# KiCad board OPS-K3572.kicad_pcb (continued)
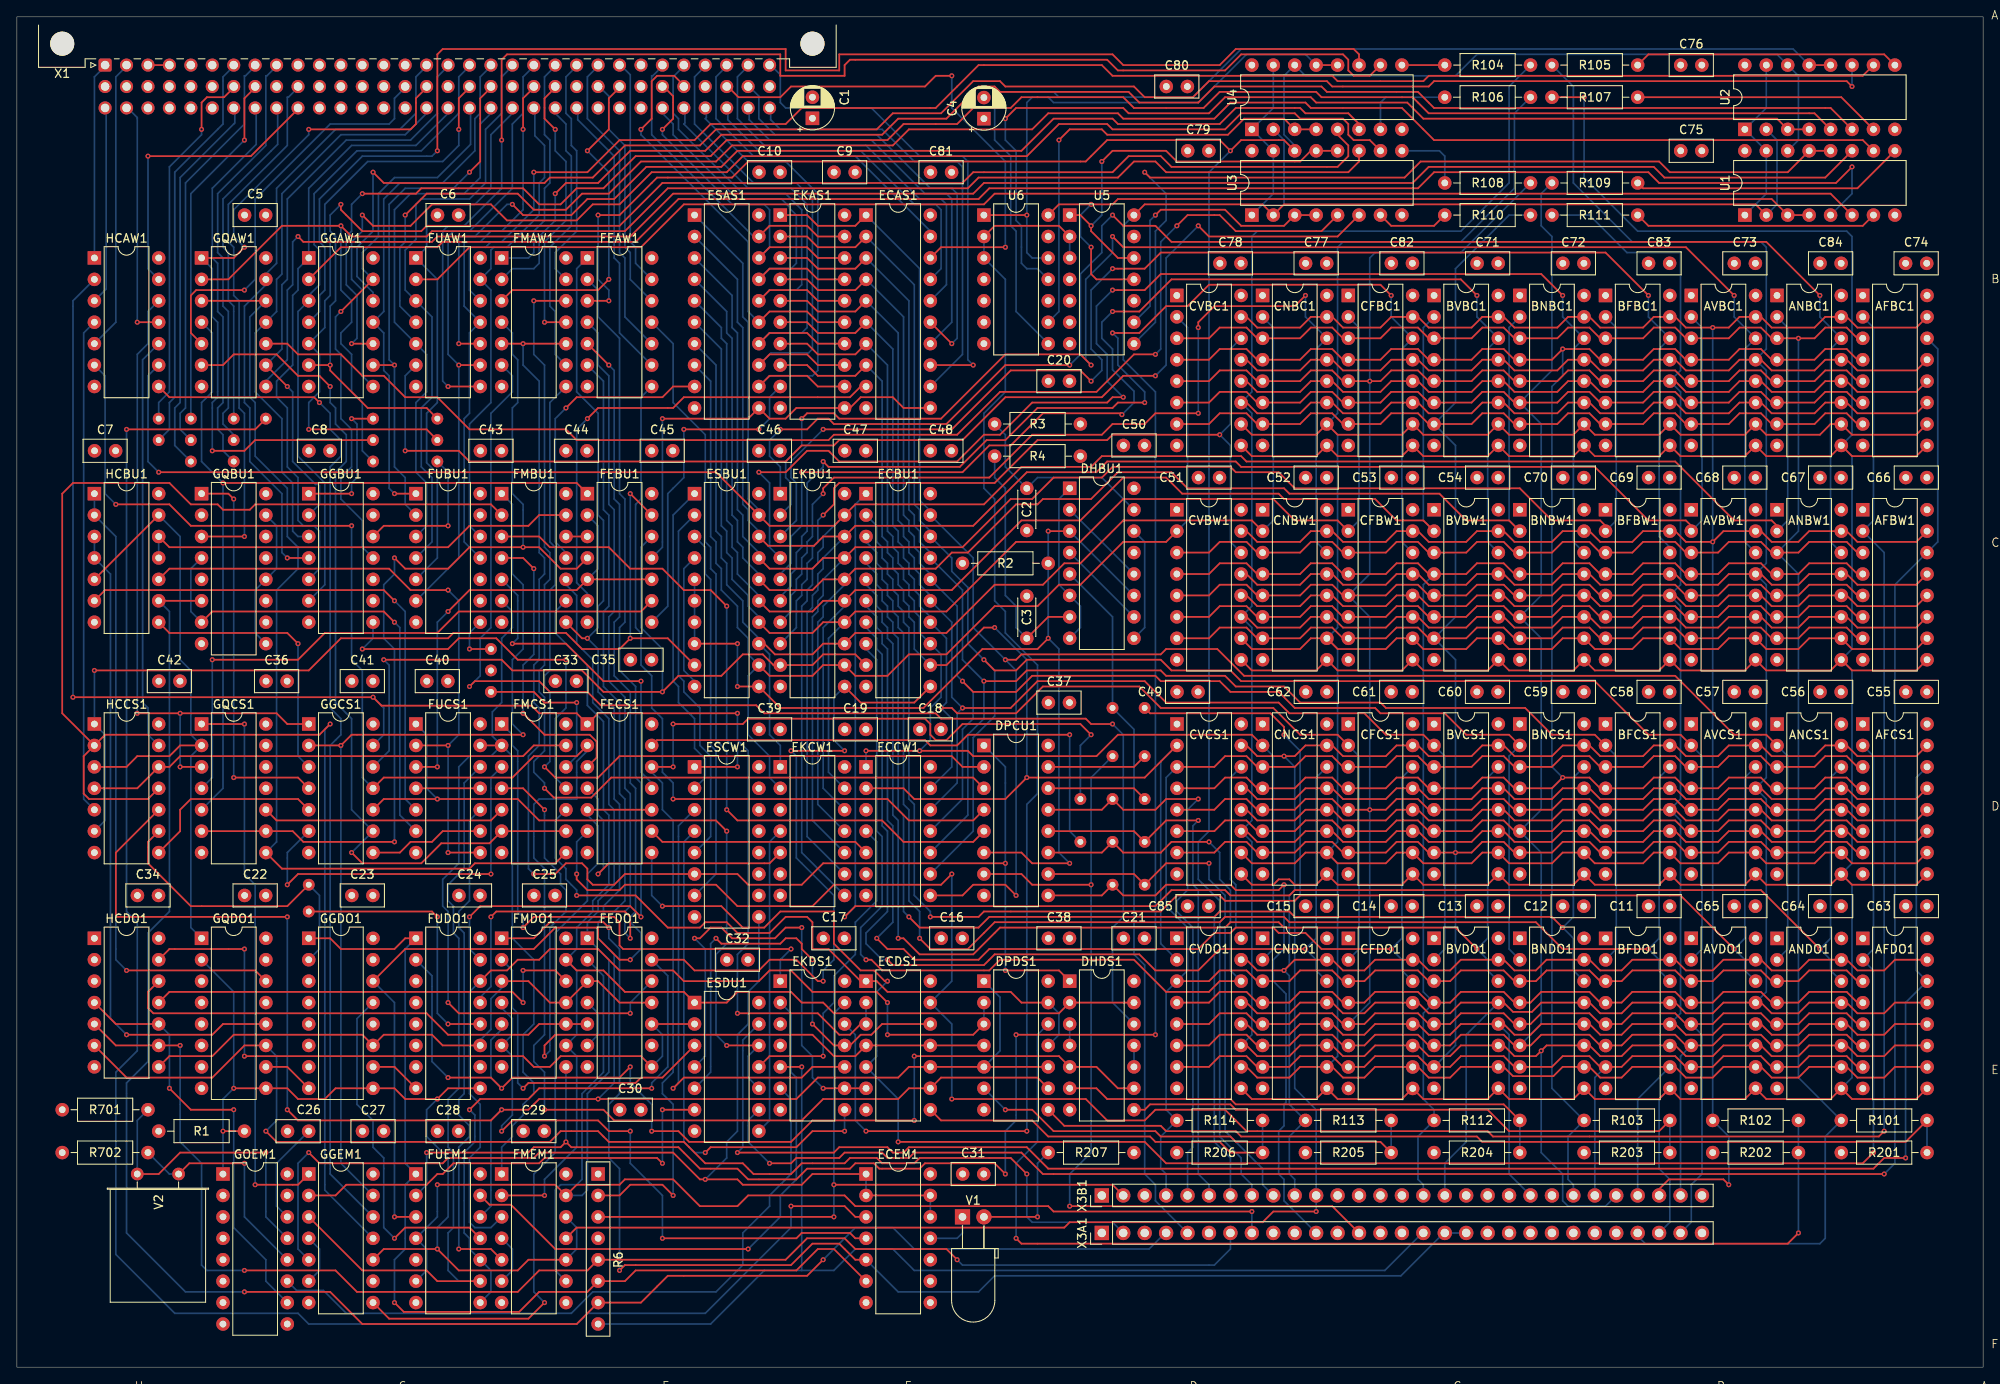
[diagram p0: board, top side]
## Nets
-ADR0: GGBU1.4 GQAW1.13 X1.a16
-ADR1: GQAW1.1 X1.b16 X11.3.1
-ADR2: GGBU1.3 GQAW1.11 X1.c16
-ADR3: GGBU1.2 GQAW1.9 X1.a17
-ADR4: GGAW1.1 GGBU1.5 X1.c17
-ADR5: GGAW1.3 GGBU1.6 X1.a18
-ADR6: GGAW1.5 X1.b18 X10.3.1
-ADR7: GGAW1.13 GGBU1.11 X1.c18
-ADR8: FUBU1.1 GGAW1.11 X1.a19
-ADR9: FUBU1.2 GGAW1.9 X1.b19
-ADR10: FMAW1.1 X1.a22
-ADR11: FMAW1.11 X1.b22
-ADR12: FMAW1.9 X1.c22
-ADR13: FMAW1.13 X1.a23
-ADR14: FEAW1.9 X1.c23
-ADR15: FEAW1.10 X1.a24
-ADR16: FEAW1.12 X1.b24
-ADR17: FEAW1.13 X1.a25
-ADRA: FUAW1.5 FUBU1.3 X1.c19
-ADRB: FUAW1.3 FUBU1.4 X1.a20
-ADRC: FUAW1.1 FUBU1.5 X1.c20
-ADRD: FUAW1.9 FUBU1.6 X1.a21
-ADRE: FUAW1.11 FUBU1.11 X1.b21
-ADRF: FUAW1.13 FUBU1.12 X1.c21
-BHEN: FMAW1.3 X1.b25
-CAS0: AFBC1.15 AFBW1.15 ANBC1.15 ANBW1.15 AVBC1.15 AVBW1.15 BFBC1.15 BFBW1.15 BNBC1.15 BNBW1.15 BVBC1.15 BVBW1.15 CFBC1.15 CFBW1.15 CNBC1.15 CNBW1.15 CVBC1.15 CVBW1.15 R102.2 X3B1.27
-CAS1: AFCS1.15 AFDO1.15 ANCS1.15 ANDO1.15 AVCS1.15 AVDO1.15 BFCS1.15 BFDO1.15 BNCS1.15 BNDO1.15 BVCS1.15 BVDO1.15 CFCS1.15 CFDO1.15 CNCS1.15 CNDO1.15 CVCS1.15 CVDO1.15 R113.2 X3B1.10
-COL: FEAW1.3 U1.14 U2.14 U3.14 U4.14 X3B1.7
-DAT0: EKAS1.19 ESAS1.19 X1.a27
-DAT1: EKAS1.18 ESAS1.18 X1.b27
-DAT2: EKAS1.17 ESAS1.17 X1.c27
-DAT3: EKAS1.16 ESAS1.16 X1.a28
-DAT4: EKAS1.15 ESAS1.15 X1.b28
-DAT5: EKAS1.14 ESAS1.14 X1.c28
-DAT6: EKAS1.13 ESAS1.13 X1.a29
-DAT7: EKAS1.12 ESAS1.12 X1.c29
-DAT8: ECAS1.19 X1.a30
-DAT9: ECAS1.18 X1.b30
-DATA: ECAS1.17 X1.c30
-DATB: ECAS1.16 X1.a31
-DATC: ECAS1.15 X1.b31
-DATD: ECAS1.14 X1.c31
-DATE: ECAS1.13 X1.a32
-DATF: ECAS1.12 X1.c32
-INH1: GQAW1.5 X1.b15
-INIT: HCAW1.13 X1.c10
-INT0: X1.a7 X13.9.1
-INT1: X1.b7 X13.8.1
-INT2: X1.c7 X13.7.1
-INT3: X1.a8 X13.6.1
-INT4: X1.b8 X13.5.1
-INT5: X1.c8 X13.4.1
-INT6: X1.a9 X13.3.1
-INT7: X1.c9 X13.2.1
-IORC: HCAW1.3 X1.c1
-IOWC: HCAW1.11 X1.c2
-MCLK-EN: EKDS1.5 R6.8 X3A1.16
-MRDC: HCAW1.1 X1.a1
-MWTC: HCAW1.5 X1.a2
-RAS0: AFBW1.4 AFDO1.4 ANBW1.4 ANDO1.4 AVBW1.4 AVDO1.4 BFBW1.4 BFDO1.4 BNBW1.4 BNDO1.4 BVBW1.4 BVDO1.4 CFBW1.4 CFDO1.4 CNBW1.4 CNDO1.4 CVBW1.4 CVDO1.4 R112.2 X3B1.16
-RAS1: AFBC1.4 AFCS1.4 ANBC1.4 ANCS1.4 AVBC1.4 AVCS1.4 BFBC1.4 BFCS1.4 BNBC1.4 BNCS1.4 BVBC1.4 BVCS1.4 CFBC1.4 CFCS1.4 CNBC1.4 CNCS1.4 CVBC1.4 CVCS1.4 R103.2 X3B1.23
-REF-CLR: FEDO1.1 FMBU1.10 FMEM1.13 FUEM1.4 FUEM1.6 X3A1.8
-SET-MCLK: HCDO1.5 HCDO1.9 R6.5 X3A1.7
-WE0: AFBC1.3 AFBW1.3 ANBC1.3 ANBW1.3 AVBC1.3 AVBW1.3 BFBC1.3 BFBW1.3 BNBC1.3 BNBW1.3 BVBC1.3 BVBW1.3 CFBC1.3 CFBW1.3 CNBC1.3 CNBW1.3 CVBC1.3 CVBW1.3 R101.2 X3A1.26
-WE1: AFCS1.3 AFDO1.3 ANCS1.3 ANDO1.3 AVCS1.3 AVDO1.3 BFCS1.3 BFDO1.3 BNCS1.3 BNDO1.3 BVCS1.3 BVDO1.3 CFCS1.3 CFDO1.3 CNCS1.3 CNDO1.3 CVCS1.3 CVDO1.3 R114.2 X3B1.4
-XACK: GQBU1.3 X1.b10
-XACKIN: GQBU1.6 HCBU1.9 R6.7 X3A1.4
/SB1: ECBU1.9 EKBU1.9 FEBU1.12 GGCS1.12
/SB2: FUCS1.9 GGCS1.8
/SB3: DPDS1.9 ECDS1.9 FECS1.2 GGCS1.11 HCAW1.6
/SB4: ESAS1.9 FMBU1.11
/SB5: EKAS1.9 FEBU1.8
/SB6: ECAS1.9 FEBU1.6
/SB7: DPDS1.4 ECDS1.4 ECDS1.11 FMCS1.4
/SB8: DPDS1.11 DPDS1.13 ECDS1.1 FMCS1.10
/SB9: FEDO1.12 FMBU1.6 FMCS1.2 FMEM1.1 FUCS1.13
/SB10: ECAS1.11 EKAS1.11 ESAS1.11 FEBU1.11
/SB11: FMCS1.13 HCCS1.4 HCCS1.12
/SB12: ECBU1.11 EKBU1.11 FEDO1.13 FUEM1.8 FUEM1.10
/SB13: FUCS1.2 FUCS1.8 HCBU1.10
/SB14: FMBU1.13 HCBU1.11 HCBU1.12
/SB15: ESBU1.9 FEBU1.13 HCCS1.1 HCCS1.6
/SB16: FUCS1.5 HCBU1.6
/SB17: ECDS1.2 ECDS1.3 FECS1.1 GGCS1.13 HCAW1.2
A: AFBC1.16 AFBW1.16 AFCS1.16 AFDO1.16 ANBC1.16 ANBW1.16 ANCS1.16 ANDO1.16 AVBC1.16 AVBW1.16 AVCS1.16 AVDO1.16 BFBC1.16 BFBW1.16 BFCS1.16 BFDO1.16 BNBC1.16 BNBW1.16 BNCS1.16 BNDO1.16 BVBC1.16 BVBW1.16 BVCS1.16 BVDO1.16 C1.1 C4.1 C5.2 C6.2 C7.2 C8.2 C9.2 C10.2 C11.2 C12.2 C13.2 C14.2 C15.2 C16.2 C17.2 C18.2 C19.2 C20.2 C21.2 C22.2 C23.2 C24.2 C25.2 C26.2 C27.2 C28.2 C29.2 C30.2 C31.2 C32.2 C33.2 C34.2 C35.2 C36.2 C37.2 C38.2 C39.2 C40.2 C41.2 C42.2 C43.2 C44.2 C45.2 C46.2 C47.2 C48.2 C49.2 C50.2 C51.2 C52.2 C53.2 C54.2 C55.2 C56.2 C57.2 C58.2 C59.2 C60.2 C61.2 C62.2 C63.2 C64.2 C65.2 C66.2 C67.2 C68.2 C69.2 C70.2 C71.2 C72.2 C73.2 C74.2 C75.2 C76.2 C77.2 C78.2 C79.2 C80.2 C81.2 C82.2 C83.2 C84.2 C85.2 CFBC1.16 CFBW1.16 CFCS1.16 CFDO1.16 CNBC1.16 CNBW1.16 CNCS1.16 CNDO1.16 CVBC1.16 CVBW1.16 CVCS1.16 CVDO1.16 DHBU1.16 DHDS1.14 DPCU1.16 DPDS1.14 ECAS1.20 ECBU1.20 ECCW1.14 ECDS1.14 ECEM1.14 EKAS1.20 EKBU1.20 EKCW1.14 EKDS1.14 ESAS1.20 ESBU1.20 ESCW1.16 ESDU1.14 FEAW1.14 FEBU1.14 FECS1.14 FEDO1.14 FMAW1.14 FMBU1.14 FMCS1.14 FMDO1.14 FMEM1.14 FUAW1.14 FUBU1.14 FUCS1.14 FUDO1.16 FUEM1.14 GGAW1.14 GGBU1.14 GGCS1.14 GGDO1.16 GGEM1.14 GOEM1.15 GOEM1.16 GQAW1.14 GQBU1.16 GQCS1.14 GQDO1.16 HCAW1.14 HCBU1.14 HCCS1.14 HCDO1.14 R1.2 R2.2 R3.1 R4.1 R6.1 R201.2 R202.2 R203.2 R204.2 R205.2 R206.2 R207.2 U1.16 U2.16 U3.16 U4.16 U5.5 U6.5 X1.a11 X1.a12 X1.a14 X1.a15 X1.c24 X1.c25
AD1_9: AFBC1.5 AFBW1.5 AFCS1.5 AFDO1.5 ANBC1.5 ANBW1.5 ANCS1.5 ANDO1.5 AVBC1.5 AVBW1.5 AVCS1.5 AVDO1.5 BFBC1.5 BFBW1.5 BFCS1.5 BFDO1.5 BNBC1.5 BNBW1.5 BNCS1.5 BNDO1.5 BVBC1.5 BVBW1.5 BVCS1.5 BVDO1.5 CFBC1.5 CFBW1.5 CFCS1.5 CFDO1.5 CNBC1.5 CNBW1.5 CNCS1.5 CNDO1.5 CVBC1.5 CVBW1.5 CVCS1.5 CVDO1.5 R108.2 X3A1.28
AD2_A: AFBC1.7 AFBW1.7 AFCS1.7 AFDO1.7 ANBC1.7 ANBW1.7 ANCS1.7 ANDO1.7 AVBC1.7 AVBW1.7 AVCS1.7 AVDO1.7 BFBC1.7 BFBW1.7 BFCS1.7 BFDO1.7 BNBC1.7 BNBW1.7 BNCS1.7 BNDO1.7 BVBC1.7 BVBW1.7 BVCS1.7 BVDO1.7 CFBC1.7 CFBW1.7 CFCS1.7 CFDO1.7 CNBC1.7 CNBW1.7 CNCS1.7 CNDO1.7 CVBC1.7 CVBW1.7 CVCS1.7 CVDO1.7 R110.2 X3B1.24
AD3_B: AFBC1.6 AFBW1.6 AFCS1.6 AFDO1.6 ANBC1.6 ANBW1.6 ANCS1.6 ANDO1.6 AVBC1.6 AVBW1.6 AVCS1.6 AVDO1.6 BFBC1.6 BFBW1.6 BFCS1.6 BFDO1.6 BNBC1.6 BNBW1.6 BNCS1.6 BNDO1.6 BVBC1.6 BVBW1.6 BVCS1.6 BVDO1.6 CFBC1.6 CFBW1.6 CFCS1.6 CFDO1.6 CNBC1.6 CNBW1.6 CNCS1.6 CNDO1.6 CVBC1.6 CVBW1.6 CVCS1.6 CVDO1.6 R109.2 X3B1.28
AD4_C: AFBC1.12 AFBW1.12 AFCS1.12 AFDO1.12 ANBC1.12 ANBW1.12 ANCS1.12 ANDO1.12 AVBC1.12 AVBW1.12 AVCS1.12 AVDO1.12 BFBC1.12 BFBW1.12 BFCS1.12 BFDO1.12 BNBC1.12 BNBW1.12 BNCS1.12 BNDO1.12 BVBC1.12 BVBW1.12 BVCS1.12 BVDO1.12 CFBC1.12 CFBW1.12 CFCS1.12 CFDO1.12 CNBC1.12 CNBW1.12 CNCS1.12 CNDO1.12 CVBC1.12 CVBW1.12 CVCS1.12 CVDO1.12 R111.2 X3B1.21
AD5_D: AFBC1.11 AFBW1.11 AFCS1.11 AFDO1.11 ANBC1.11 ANBW1.11 ANCS1.11 ANDO1.11 AVBC1.11 AVBW1.11 AVCS1.11 AVDO1.11 BFBC1.11 BFBW1.11 BFCS1.11 BFDO1.11 BNBC1.11 BNBW1.11 BNCS1.11 BNDO1.11 BVBC1.11 BVBW1.11 BVCS1.11 BVDO1.11 CFBC1.11 CFBW1.11 CFCS1.11 CFDO1.11 CNBC1.11 CNBW1.11 CNCS1.11 CNDO1.11 CVBC1.11 CVBW1.11 CVCS1.11 CVDO1.11 R104.2 X3B1.25
AD6_E: AFBC1.10 AFBW1.10 AFCS1.10 AFDO1.10 ANBC1.10 ANBW1.10 ANCS1.10 ANDO1.10 AVBC1.10 AVBW1.10 AVCS1.10 AVDO1.10 BFBC1.10 BFBW1.10 BFCS1.10 BFDO1.10 BNBC1.10 BNBW1.10 BNCS1.10 BNDO1.10 BVBC1.10 BVBW1.10 BVCS1.10 BVDO1.10 CFBC1.10 CFBW1.10 CFCS1.10 CFDO1.10 CNBC1.10 CNBW1.10 CNCS1.10 CNDO1.10 CVBC1.10 CVBW1.10 CVCS1.10 CVDO1.10 R106.2 X3B1.26
AD7_F: AFBC1.13 AFBW1.13 AFCS1.13 AFDO1.13 ANBC1.13 ANBW1.13 ANCS1.13 ANDO1.13 AVBC1.13 AVBW1.13 AVCS1.13 AVDO1.13 BFBC1.13 BFBW1.13 BFCS1.13 BFDO1.13 BNBC1.13 BNBW1.13 BNCS1.13 BNDO1.13 BVBC1.13 BVBW1.13 BVCS1.13 BVDO1.13 CFBC1.13 CFBW1.13 CFCS1.13 CFDO1.13 CNBC1.13 CNBW1.13 CNCS1.13 CNDO1.13 CVBC1.13 CVBW1.13 CVCS1.13 CVDO1.13 R105.2 X3B1.17
AD8_10: AFBC1.9 AFBW1.9 AFCS1.9 AFDO1.9 ANBC1.9 ANBW1.9 ANCS1.9 ANDO1.9 AVBC1.9 AVBW1.9 AVCS1.9 AVDO1.9 BFBC1.9 BFBW1.9 BFCS1.9 BFDO1.9 BNBC1.9 BNBW1.9 BNCS1.9 BNDO1.9 BVBC1.9 BVBW1.9 BVCS1.9 BVDO1.9 CFBC1.9 CFBW1.9 CFCS1.9 CFDO1.9 CNBC1.9 CNBW1.9 CNCS1.9 CNDO1.9 CVBC1.9 CVBW1.9 CVCS1.9 CVDO1.9 R107.2 X3A1.27
ADR0: FMCS1.8 GQAW1.3 GQAW1.12 GQCS1.8
ADR1: GQAW1.2 U3.11 X11.1.1
ADR2: GQAW1.10 U3.5
ADR3: GQAW1.8 U1.11
ADR4: GGAW1.2 U1.5
ADR5: GGAW1.4 U4.11
ADR6: GGAW1.6 U4.5 X10.1.1
ADR7: GGAW1.12 U2.11
ADR8: GGAW1.10 U2.5
ADR9: GGAW1.8 U3.10
ADR10: FMAW1.2 U2.6
ADR11: DHDS1.1 DPCU1.1 ESCW1.6 FMAW1.5 FMAW1.10
ADR_0: FEBU1.1 GQAW1.4 GQCS1.5
ADR_11: DHDS1.12 FMAW1.6
ADRA: FUAW1.6 U3.6
ADRB: FUAW1.4 U1.10
ADRC: FUAW1.2 U1.6
ADRD: FUAW1.8 U4.10
ADRE: FUAW1.10 U4.6
ADRF: FUAW1.12 U2.10
AS2: DPCU1.13 X3B1.5 X8.3.1
AS3: DPCU1.12 X3B1.6 X8.4.1
AS4: DPCU1.11 X3B1.9 X8.5.1
AS5: DPCU1.10 X3B1.8 X8.6.1
AS6: DPCU1.9 X3A1.11 X8.7.1
AS7: DPCU1.7 X3A1.13 X8.8.1
B: AFBC1.8 AFBW1.8 AFCS1.8 AFDO1.8 ANBC1.8 ANBW1.8 ANCS1.8 ANDO1.8 AVBC1.8 AVBW1.8 AVCS1.8 AVDO1.8 BFBC1.8 BFBW1.8 BFCS1.8 BFDO1.8 BNBC1.8 BNBW1.8 BNCS1.8 BNDO1.8 BVBC1.8 BVBW1.8 BVCS1.8 BVDO1.8 C1.2 C2.2 C3.2 C4.2 C5.1 C6.1 C7.1 C8.1 C9.1 C10.1 C11.1 C12.1 C13.1 C14.1 C15.1 C16.1 C17.1 C18.1 C19.1 C20.1 C21.1 C22.1 C23.1 C24.1 C25.1 C26.1 C27.1 C28.1 C29.1 C30.1 C31.1 C32.1 C33.1 C34.1 C35.1 C36.1 C37.1 C38.1 C39.1 C40.1 C41.1 C42.1 C43.1 C44.1 C45.1 C46.1 C47.1 C48.1 C49.1 C50.1 C51.1 C52.1 C53.1 C54.1 C55.1 C56.1 C57.1 C58.1 C59.1 C60.1 C61.1 C62.1 C63.1 C64.1 C65.1 C66.1 C67.1 C68.1 C69.1 C70.1 C71.1 C72.1 C73.1 C74.1 C75.1 C76.1 C77.1 C78.1 C79.1 C80.1 C81.1 C82.1 C83.1 C84.1 C85.1 CFBC1.8 CFBW1.8 CFCS1.8 CFDO1.8 CNBC1.8 CNBW1.8 CNCS1.8 CNDO1.8 CVBC1.8 CVBW1.8 CVCS1.8 CVDO1.8 DHBU1.1 DHBU1.6 DHBU1.8 DHBU1.9 DHBU1.14 DHDS1.7 DPCU1.8 DPDS1.7 ECAS1.10 ECBU1.10 ECCW1.7 ECDS1.7 ECEM1.7 EKAS1.10 EKBU1.10 EKCW1.7 EKDS1.7 ESAS1.10 ESBU1.4 ESBU1.10 ESCW1.8 ESDU1.7 FEAW1.7 FEBU1.7 FECS1.7 FEDO1.7 FMAW1.7 FMBU1.7 FMCS1.7 FMDO1.7 FMEM1.7 FUAW1.7 FUBU1.7 FUCS1.7 FUDO1.8 FUDO1.10 FUEM1.7 GGAW1.7 GGBU1.7 GGCS1.7 GGDO1.8 GGDO1.10 GGEM1.7 GOEM1.8 GOEM1.9 GOEM1.14 GQAW1.7 GQBU1.8 GQBU1.9 GQBU1.12 GQBU1.15 GQCS1.7 GQDO1.8 GQDO1.10 HCAW1.7 HCBU1.7 HCCS1.7 HCDO1.7 R701.1 R702.1 U1.1 U1.8 U1.15 U2.1 U2.8 U2.15 U3.1 U3.8 U3.15 U4.1 U4.8 U4.15 U5.10 U6.10 X1.b2 X1.b6 X1.b9 X1.b13 X1.b17 X1.b20 X1.b23 X1.b26 X1.b29 X1.b32 X9.3.1
D0: ANBC1.2 ANBW1.2 EKBU1.19 EKCW1.8 ESAS1.1 ESBU1.19 HCAW1.9
D1: AVBC1.2 AVBW1.2 EKBU1.18 EKCW1.9 ESAS1.2 ESBU1.18
D2: BFBC1.2 BFBW1.2 EKBU1.17 EKCW1.10 ESAS1.3 ESBU1.17
D3: BNBC1.2 BNBW1.2 EKBU1.16 EKCW1.11 ESAS1.4 ESBU1.16
D4: BVBC1.2 BVBW1.2 EKBU1.15 EKCW1.12 ESAS1.5 ESBU1.15
D5: CFBC1.2 CFBW1.2 EKBU1.14 EKCW1.13 ESAS1.6 ESBU1.14
D6: CNBC1.2 CNBW1.2 EKBU1.13 EKCW1.1 ESAS1.7 ESBU1.13
D7: CVBC1.2 CVBW1.2 EKBU1.12 EKCW1.2 ESAS1.8 ESBU1.12
D8: ANCS1.2 ANDO1.2 ECAS1.1 ECBU1.19 ECCW1.8 EKAS1.1
D9: AVCS1.2 AVDO1.2 ECAS1.2 ECBU1.18 ECCW1.9 EKAS1.2
D10: BFCS1.2 BFDO1.2 ECAS1.3 ECBU1.17 ECCW1.10 EKAS1.3
D11: BNCS1.2 BNDO1.2 ECAS1.4 ECBU1.16 ECCW1.11 EKAS1.4
D12: BVCS1.2 BVDO1.2 ECAS1.5 ECBU1.15 ECCW1.12 EKAS1.5
D13: CFCS1.2 CFDO1.2 ECAS1.6 ECBU1.14 ECCW1.13 EKAS1.6
D14: CNCS1.2 CNDO1.2 ECAS1.7 ECBU1.13 ECCW1.1 EKAS1.7
D15: CVCS1.2 CVDO1.2 ECAS1.8 ECBU1.12 ECCW1.2 EKAS1.8
D16: AFBC1.2 AFBW1.2 ECDS1.13 FECS1.6
D17: AFCS1.2 AFDO1.2 ECDS1.5 FECS1.8
DR0: ANBC1.14 ANBW1.14 EKBU1.1
DR1: AVBC1.14 AVBW1.14 EKBU1.2
DR2: BFBC1.14 BFBW1.14 EKBU1.3
DR3: BNBC1.14 BNBW1.14 EKBU1.4
DR4: BVBC1.14 BVBW1.14 EKBU1.5
DR5: CFBC1.14 CFBW1.14 EKBU1.6
DR6: CNBC1.14 CNBW1.14 EKBU1.7
DR7: CVBC1.14 CVBW1.14 EKBU1.8
DR8: ANCS1.14 ANDO1.14 ECBU1.1
DR9: AVCS1.14 AVDO1.14 ECBU1.2
DR10: BFCS1.14 BFDO1.14 ECBU1.3
DR11: BNCS1.14 BNDO1.14 ECBU1.4
DR12: BVCS1.14 BVDO1.14 ECBU1.5
DR13: CFCS1.14 CFDO1.14 ECBU1.6
DR14: CNCS1.14 CNDO1.14 ECBU1.7
DR15: CVCS1.14 CVDO1.14 ECBU1.8
DR16: AFBC1.14 AFBW1.14 ESDU1.9
DR17: AFCS1.14 AFDO1.14 ESDU1.13
H1: DHBU1.3 DHBU1.11 DPCU1.6 ESBU1.5 ESBU1.6 ESBU1.7 ESBU1.8 ESBU1.11 R2.1
H2: FMEM1.10 FMEM1.12 FUDO1.9 GGDO1.9 GGEM1.10 GOEM1.1 GQDO1.2 GQDO1.9 R1.1
IR-CLK: FMEM1.11 X3B1.11 X7.1.1
MCLK: GQDO1.11 HCDO1.6 X3A1.2
ORCLK: DHBU1.5 X3A1.5 X7.2.1
RAS: ECEM1.5 FEAW1.6 FMDO1.1 X3A1.17 X3A1.18
REF: FMDO1.8 FUEM1.2 U1.2 U2.2 U3.2 U4.2 U5.14
STOPREFR: EKDS1.13 R6.3 X3B1.2
Net-(DHBU1A--F): DHBU1.4 DHBU1.10
Net-(DHBU1A-B): DHBU1.2 DHBU1.12
Net-(DHBU1A-RL): C2.1 DHBU1.15 R3.2
Net-(DHBU1B-RL): C3.1 DHBU1.7 R4.2
Net-(DHDS1-Pad3): DHDS1.3 DHDS1.4
Net-(DHDS1-Pad6): DHDS1.6 R112.1 R204.1
Net-(DHDS1-Pad8): DHDS1.8 R103.1 R203.1
Net-(DHDS1-Pad10): DHDS1.10 DHDS1.11
Net-(DHDS1-Pad13): DHDS1.2 DHDS1.13 ESDU1.1 FMBU1.9 FMDO1.9 FMDO1.13 FMEM1.2
Net-(DPCU1-A1): DPCU1.2 FMAW1.8
Net-(DPCU1-A2): DPCU1.3 FMAW1.12
Net-(DPCU1-E1): DPCU1.4 FEAW1.8
Net-(DPCU1-E2): DPCU1.5 FEAW1.11
Net-(DPCU1-O0): DPCU1.15 X8.1.1
Net-(DPCU1-O1): DPCU1.14 X8.2.1
Net-(DPDS1-Pad1): DPDS1.1 DPDS1.5 DPDS1.10 ECDS1.10 FEAW1.1 FMBU1.8 FUEM1.12 HCCS1.10
Net-(DPDS1-Pad6): DPDS1.6 R113.1 R205.1
Net-(DPDS1-Pad8): DPDS1.8 R101.1 R201.1
Net-(DPDS1-Pad12): DPDS1.12 R102.1 R202.1
Net-(ECCW1-8): ECCW1.4 ESDU1.11
Net-(ECCW1-F1): ECCW1.5 FECS1.9
Net-(ECDS1-Pad6): ECDS1.6 EKDS1.9 ESDU1.4
Net-(ECDS1-Pad8): ECDS1.8 R114.1 R206.1
Net-(ECDS1-Pad12): ECDS1.12 EKDS1.11 ESDU1.5
Net-(ECEM1-Pad4): ECEM1.4 FMDO1.4 FMDO1.6
Net-(EKCW1-8): EKCW1.4 ESDU1.8
Net-(EKCW1-F1): EKCW1.5 FECS1.4
Net-(EKDS1-Pad1): EKDS1.1 FMCS1.1
Net-(EKDS1-Pad2): EKDS1.2 FUEM1.13
Net-(ESBU1-DI0): ESBU1.1 ESCW1.2
Net-(ESBU1-DI1): ESBU1.2 ESCW1.5
Net-(ESBU1-DI2): ESBU1.3 ESCW1.7
Net-(ESCW1-C): ECEM1.1 ECEM1.2 ECEM1.12 ECEM1.13 ESCW1.9 GGEM1.5
Net-(ESCW1-D1): EKDS1.10 ESCW1.3
Net-(ESCW1-D2): EKDS1.8 ESCW1.4
Net-(ESCW1-R): ESCW1.1 FMBU1.3
Net-(ESDU1-Pad2): ESDU1.2 FEDO1.8 FEDO1.10 HCDO1.13
Net-(ESDU1-Pad3): ESDU1.3 FMDO1.2
Net-(ESDU1-Pad6): ESDU1.6 GGEM1.2
Net-(ESDU1-Pad10): ESDU1.10 ESDU1.12 FUCS1.1 GGCS1.10
Net-(FEBU1-Pad3): FEBU1.3 FMBU1.12
Net-(FEBU1-Pad4): FEBU1.4 FMAW1.4 GQCS1.6 GQCS1.9
Net-(FEBU1-Pad9): FEBU1.9 GQCS1.4
Net-(FEBU1-Pad10): FEBU1.2 FEBU1.5 FEBU1.10 FUCS1.3
Net-(FECS1-Pad3): FECS1.3 FMBU1.4
Net-(FECS1-Pad10): FECS1.5 FECS1.10 GGEM1.8
Net-(FECS1-Pad11): FECS1.11 FMBU1.5
Net-(FEDO1-Pad2): FEDO1.2 FMEM1.9
Net-(FEDO1-Pad4): FEDO1.4 FEDO1.6
Net-(FEDO1-Pad5): FEDO1.5 FMDO1.10 HCDO1.12
Net-(FMBU1-Pad1): FMBU1.1 GGCS1.2 GGEM1.13
Net-(FMBU1-Pad2): FMBU1.2 GGEM1.11 HCCS1.2 HCCS1.11
Net-(FMCS1-Pad3): FMCS1.3 GGCS1.6
Net-(FMCS1-Pad5): FMCS1.5 GQCS1.10
Net-(FMCS1-Pad6): FMCS1.6 FMCS1.9 GGCS1.9 GQAW1.6
Net-(FMCS1-Pad11): FMCS1.11 GGBU1.8
Net-(FMDO1-Pad12): FMDO1.12 HCDO1.11
Net-(FMEM1-Pad4): FMEM1.4 FMEM1.6
Net-(FMEM1-Pad5): FMEM1.5 FUCS1.10
Net-(FUCS1-Pad11): FUCS1.4 FUCS1.11
Net-(FUCS1-Pad12): FUCS1.12 FUEM1.9 GGEM1.3
Net-(FUDO1-0): FEAW1.2 FUDO1.15
Net-(FUDO1-1): DPDS1.2 DPDS1.3 FMEM1.3 FUDO1.14
Net-(FUDO1-2): FEAW1.4 FUDO1.13
Net-(FUDO1-3): FUDO1.12 X12.2.1
Net-(FUDO1-AR): DHDS1.5 DHDS1.9 FMDO1.5 FUDO1.2
Net-(FUDO1-R): ECEM1.6 FUDO1.1 FUEM1.1 GGDO1.1 R6.6
Net-(FUDO1-T): FEDO1.3 FEDO1.11 FMDO1.3 FMDO1.11 FUDO1.11 GGDO1.11 HCDO1.8
Net-(GGCS1-Pad1): GGCS1.1 GQCS1.3 HCAW1.12
Net-(GGCS1-Pad3): GGCS1.3 HCBU1.8
Net-(GGCS1-Pad5): GGCS1.5 HCCS1.8
Net-(GGDO1-1): FEAW1.5 FUEM1.3 GGDO1.14
Net-(GGDO1-2): FUEM1.11 GGDO1.13
Net-(GGDO1-AR): GGDO1.2 HCCS1.9 X12.1.1
Net-(GGEM1-Pad1): GGEM1.1 GQCS1.1
Net-(GGEM1-Pad4): GGEM1.4 GGEM1.6
Net-(GGEM1-Pad12): GGEM1.12 HCAW1.8
Net-(GOEM1B-C-Pad12): GOEM1.12 R702.2 V2.2
Net-(GOEM1B-C-Pad13): GOEM1.13 R701.2 V2.1
Net-(GOEM1B-EN): EKDS1.6 GOEM1.11
Net-(GOEM1B-F): GOEM1.10 HCDO1.4 HCDO1.10
Net-(GQBU1-CS): GGCS1.4 GQBU1.1
Net-(GQBU1-DI0): FUCS1.6 GQBU1.4 GQBU1.7
Net-(GQDO1-1): GQDO1.14 HCBU1.1 HCBU1.2
Net-(GQDO1-3): GQDO1.12 HCBU1.3 HCBU1.4
Net-(GQDO1-R): GQCS1.2 GQDO1.1 HCBU1.5 HCBU1.13 HCCS1.3
Net-(HCAW1-Pad4): HCAW1.4 HCCS1.5
Net-(HCAW1-Pad10): HCAW1.10 HCCS1.13
Net-(R6A-R1.2): FECS1.12 R6.2 X8.9.1
Net-(U1-1C2): U1.3 U1.4 U5.11 U6.14
Net-(U1-1Y): R111.1 U1.7
Net-(U1-2C2): U1.12 U1.13 U5.8
Net-(U1-2Y): R109.1 U1.9
Net-(U2-1C2): U2.3 U2.4 U6.11
Net-(U2-1Y): R107.1 U2.7
Net-(U2-2C2): U2.12 U2.13 U6.8
Net-(U2-2Y): R105.1 U2.9
Net-(U3-1C2): U3.3 U3.4 U5.9
Net-(U3-1Y): R110.1 U3.7
Net-(U3-2C2): U3.12 U3.13 U5.1 U5.12
Net-(U3-2Y): R108.1 U3.9
Net-(U4-1C2): U4.3 U4.4 U6.9
Net-(U4-1Y): R106.1 U4.7
Net-(U4-2C2): U4.12 U4.13 U6.1 U6.12
Net-(U4-2Y): R104.1 U4.9
Net-(U5-R01): EKDS1.12 U5.2 U5.3 U6.2 U6.3
Net-(V1-A): R207.1 V1.2
Net-(V1-K): ECEM1.11 V1.1
Net-(X1-Pin_a3): X1.a3 X1.a4
Net-(X8.10-Pin_1): FECS1.13 X8.10.1
Net-(X9.1-Pin_1): FUBU1.8 X9.1.1
Net-(X9.2-Pin_1): FMCS1.12 X9.2.1
Net-(X10.2-Pin_1): GGBU1.12 X10.2.1
Net-(X11.2-Pin_1): GGBU1.1 X11.2.1
Net-(X13.1-Pin_1): ECEM1.3 X13.1.1

Pads without a net: AFBC1 1; AFBW1 1; AFCS1 1; AFDO1 1; ANBC1 1; ANBW1 1; ANCS1 1; ANDO1 1; AVBC1 1; AVBW1 1; AVCS1 1; AVDO1 1; BFBC1 1; BFBW1 1; BFCS1 1; BFDO1 1; BNBC1 1; BNBW1 1; BNCS1 1; BNDO1 1; BVBC1 1; BVBW1 1; BVCS1 1; BVDO1 1; CFBC1 1; CFBW1 1; CFCS1 1; CFDO1 1; CNBC1 1; CNBW1 1; CNCS1 1; CNDO1 1; CVBC1 1; CVBW1 1; CVCS1 1; CVDO1 1; DHBU1 13; ECCW1 3 6; ECEM1 8 9 10; EKCW1 3 6; EKDS1 3 4; ESCW1 10 11 12 13 14 15; FEDO1 9; FMEM1 8; FUBU1 9 10 13; FUDO1 3 4 5 6 7; FUEM1 5; GGBU1 9 10 13; GGDO1 3 4 5 6 7 12 15; GGEM1 9; GOEM1 2 3 4 5 6 7; GQBU1 2 5 10 11 13 14; GQCS1 11 12 13; GQDO1 3 4 5 6 7 13 15; HCDO1 1 2 3; R6 4; U5 4 6 7 13; U6 4 6 7 13; X1 a5 a6 a10 a13 a26 b1 b3 b4 b5 b11 b12 b14 c3 c4 c5 c6 c11 c12 c13 c14 c15 c26; X3A1 1 3 6 9 10 12 14 15 19 20 21 22 23 24 25 29; X3B1 1 3 12 13 14 15 18 19 20 22 29

## Via types
v1: diameter 0.6, hole 0.3, Top to Bottom, 337 vias

## Routing (per net, layer and track width the routed paths; a pad name or vN(x,y) marks a point on that pad's centre or on a via; arc(x,y) is an arc through that point)
-ADR0: length 76.5
  Top w0.2: v1(32.05,95.92) GGBU1.4
  Bottom w0.2: 48.68,154.34 47.28,152.94 47.28,148.62 45.38,146.72 37.76,146.72 30.77,139.73 30.77,130.84 29.51,129.57 GQAW1.13 29.51,128.3 26.97,125.76 26.97,114.33 27.6,113.7 27.6,107.35 31.41,103.54 31.41,96.55 v1(32.05,95.92)
-ADR1: length 85.3
  Top w0.2: v1(23.16,108.62) 26.97,108.62 28.23,109.89 X11.3.1 ; v1(26.97,132.75) 25.7,131.48 GQAW1.1 ; v1(34.59,146.72) 46.65,146.72 47.28,147.35 47.28,150.4 48.68,151.8
  Bottom w0.2: v1(34.59,146.72) 34.59,146.08 25.7,137.19 25.7,134.02 v1(26.97,132.75) ; GQAW1.1 23.16,130.21 23.16,124.49 23.79,123.86 23.79,114.97 23.16,114.33 v1(23.16,108.62)
-ADR2: length 67.1
  Bottom w0.2: GGBU1.3 33.31,98.46 32.68,99.09 32.68,104.81 31.41,106.08 31.41,112.43 28.23,115.6 28.23,122.59 GQAW1.11 30.77,125.13 30.77,128.94 31.41,129.57 31.41,139.1 38.39,146.08 46.02,146.08 48.68,148.75 48.68,149.26
-ADR3: length 70.1
  Top w0.2: GQAW1.9 v1(32.05,116.24)
  Bottom w0.2: 51.22,154.34 49.83,152.94 49.83,148.62 46.65,145.45 39.03,145.45 32.05,138.46 32.05,128.94 31.41,128.3 31.41,120.68 GQAW1.9 ; GGBU1.2 35.86,102.27 35.86,104.47 35.69,104.64 35.39,104.64 32.68,107.35 32.68,115.6 v1(32.05,116.24)
-ADR4: length 72.2
  Bottom w0.2: GGBU1.5 35.86,94.65 35.86,99.09 35.22,99.73 33.95,99.73 33.31,100.36 33.31,105.44 32.05,106.71 32.05,113.7 30.77,114.97 30.77,116.87 32.68,118.78 32.68,127.03 33.31,127.67 33.31,130.21 GGAW1.1 34.59,139.73 39.67,144.81 47.28,144.81 51.22,148.75 51.22,149.26
-ADR5: length 79.1
  Bottom w0.2: 53.76,154.34 52.36,152.94 52.36,148.62 47.92,144.18 40.3,144.18 35.22,139.1 35.22,133.06 35.86,132.43 35.86,128.3 34.59,127.03 GGAW1.3 33.31,125.13 33.31,107.98 36.49,104.81 36.49,92.74 GGBU1.6
-ADR6: length 71.1
  Top w0.2: v1(34.59,111.16) 48.56,111.16 X10.3.1 ; 53.76,151.8 52.36,150.4 v1(52.36,146.72)
  Bottom w0.2: v1(52.36,146.72) 52.36,144.81 50.46,142.91 41.57,142.91 36.49,137.83 36.49,134.02 37.12,133.38 37.12,127.03 36.49,126.4 36.49,123.22 GGAW1.5 35.86,120.05 35.86,115.6 34.59,114.33 v1(34.59,111.16)
-ADR7: length 66.9
  Top w0.2: v1(38.39,125.13) GGAW1.13
  Bottom w0.2: 53.76,149.26 53.76,144.94 49.83,141 44.75,141 42.84,139.1 42.84,134.02 40.94,132.11 40.94,130.21 GGAW1.13 ; v1(38.39,125.13) 37.76,124.49 37.76,120.68 38.39,120.05 38.39,112.43 39.67,111.16 39.67,106.71 38.39,105.44 38.39,102.9 40.94,100.36 40.94,97.19 GGBU1.11
-ADR8: length 63.2
  Top w0.2: v1(44.75,103.54) FUBU1.1
  Bottom w0.2: v1(44.75,103.54) 44.11,104.17 44.11,117.51 43.48,118.14 43.48,122.59 GGAW1.11 43.48,125.13 43.48,138.46 45.38,140.37 50.46,140.37 54.27,144.18 54.27,147.99 54.91,148.62 54.91,152.94 56.3,154.34
-ADR9: length 63.1
  Top w0.2: v1(53.64,141.64) 54.91,142.91 54.91,150.4 56.3,151.8 ; v1(44.75,118.78) GGAW1.9
  Bottom w0.2: FUBU1.2 46.02,102.27 46.02,105.44 44.75,106.71 v1(44.75,118.78) 44.11,119.41 44.11,137.83 46.02,139.73 51.73,139.73 v1(53.64,141.64)
-ADR10: length 27.9
  Bottom w0.2: FMAW1.1 60.62,131.48 61.25,132.11 61.25,134.65 62.53,135.92 62.53,139.73 63.16,140.37 63.16,145.45 62.53,146.08 62.53,152.94 63.92,154.34
-ADR11: length 33.2
  Top w0.2: v1(63.8,146.72) 62.53,147.99 62.53,150.4 63.92,151.8 ; v1(62.53,123.86) FMAW1.11
  Bottom w0.2: v1(62.53,123.86) 62.53,133.38 65.06,135.92 65.06,142.91 63.8,144.18 v1(63.8,146.72)
-ADR12: length 33.1
  Bottom w0.2: 63.92,149.26 63.92,148.49 65.06,147.35 65.06,144.18 65.7,143.54 65.7,135.29 63.16,132.75 63.16,125.76 63.8,125.13 63.8,120.05 FMAW1.9
-ADR13: length 28.1
  Bottom w0.2: FMAW1.13 63.8,130.21 63.8,132.11 66.34,134.65 66.34,144.18 65.7,144.81 65.7,147.99 65.06,148.62 65.06,152.94 66.46,154.34
-ADR14: length 34.1
  Bottom w0.2: FEAW1.9 71.42,122.59 71.42,130.84 70.78,131.48 70.78,143.54 66.46,147.86 66.46,149.26
-ADR15: length 36.8
  Bottom w0.2: 69,154.34 67.61,152.94 67.61,147.99 71.42,144.18 71.42,132.11 72.05,131.48 72.05,124.49 FEAW1.10
-ADR16: length 28
  Bottom w0.2: 69,151.8 70.14,150.65 70.14,146.72 72.05,144.81 72.05,132.75 72.69,132.11 72.69,128.94 FEAW1.12
-ADR17: length 26.9
  Bottom w0.2: 71.54,154.34 72.69,153.19 72.69,133.38 73.32,132.75 73.32,130.84 FEAW1.13
-ADRA: length 62.5
  Bottom w0.2: FUBU1.3 48.56,99.73 48.56,104.81 47.28,106.08 47.28,114.33 48.56,115.6 48.56,120.05 FUAW1.5 44.75,123.86 44.75,137.19 46.65,139.1 53,139.1 54.91,141 54.91,147.35 56.3,148.75 56.3,149.26
-ADRB: length 70.3
  Bottom w0.2: FUBU1.4 49.19,97.82 49.19,105.44 47.92,106.71 47.92,113.7 49.19,114.97 49.19,124.49 FUAW1.3 46.02,127.67 46.02,132.41 47.28,133.68 47.28,137.83 47.92,138.46 53.64,138.46 55.54,140.37 55.54,146.72 57.45,148.62 57.45,153.07 57.57,153.07 58.84,154.34
-ADRC: length 66.8
  Bottom w0.2: 58.84,149.26 58.84,148.75 56.17,146.08 56.17,139.73 54.27,137.83 49.19,137.83 48.56,137.19 48.56,132.75 FUAW1.1 49.83,128.94 49.83,114.33 48.56,113.06 48.56,107.2 49.83,105.93 49.83,95.92 FUBU1.5
-ADRD: length 74
  Top w0.2: v1(52.36,118.78) FUAW1.9
  Bottom w0.2: 61.38,154.34 59.98,152.94 59.98,148.62 58.72,147.35 58.72,139.73 53.64,134.65 51.73,134.65 51.09,134.02 51.09,120.05 v1(52.36,118.78) 52.36,95.92 FUBU1.6
-ADRE: length 63.6
  Top w0.2: 61.38,151.8 59.98,150.4 v1(59.98,146.72)
  Bottom w0.2: FUBU1.11 53,97.82 53,112.43 53.64,113.06 53.64,122.59 FUAW1.11 53,125.76 53,133.38 54.91,133.38 56.17,134.65 57.45,134.65 59.98,137.19 v1(59.98,146.72)
-ADRF: length 57.5
  Bottom w0.2: FUBU1.12 53.64,99.73 53.64,111.79 56.17,114.33 56.17,127.67 FUAW1.13 56.17,130.21 56.17,132.41 56.52,132.75 58.08,132.75 61.89,136.56 61.89,140.37 62.53,141 62.53,144.81 61.38,145.95 61.38,149.26
-BHEN: length 39.3
  Top w0.2: FMAW1.3 58.72,127.67 68.88,127.67 v1(70.14,128.94) ; v1(67.61,144.18) 70.14,146.72 70.14,150.4 71.54,151.8
  Bottom w0.2: v1(70.14,128.94) 70.14,141.64 v1(67.61,144.18)
-CAS0: length 290.5
  Top w0.2: CVBW1.15 145.71,99.09 146.98,97.82 152.06,97.82 153.33,99.09 CNBW1.15 155.87,99.09 157.14,97.82 162.22,97.82 163.49,99.09 CFBW1.15 166.03,99.09 167.3,97.82 171.75,97.82 173.01,99.09 BVBW1.15 176.19,99.09 177.46,97.82 181.91,97.82 183.18,99.09 BNBW1.15 186.35,99.09 187.62,97.82 191.43,97.82 192.7,99.09 BFBW1.15 196.51,99.09 197.78,97.82 v1(200.95,97.82) 202.23,99.09 AVBW1.15 206.67,99.09 207.94,97.82 211.12,97.82 212.38,99.09 ANBW1.15 216.83,99.09 218.1,97.82 225.09,97.82 AFBW1.15 ; AFBC1.15 225.09,123.22 218.1,123.22 216.83,124.49 ANBC1.15 214.29,124.49 213.02,123.22 207.94,123.22 206.67,124.49 AVBC1.15 204.13,124.49 202.86,123.22 v1(200.95,123.22) 197.78,123.22 196.51,124.49 BFBC1.15 193.97,124.49 192.7,123.22 187.62,123.22 186.35,124.49 BNBC1.15 183.81,124.49 182.54,123.22 177.46,123.22 176.19,124.49 BVBC1.15 173.65,124.49 172.38,123.22 167.3,123.22 166.03,124.49 CFBC1.15 162.86,124.49 161.58,123.22 157.14,123.22 155.87,124.49 CNBC1.15 153.33,124.49 152.06,123.22 146.98,123.22 145.71,124.49 CVBC1.15 ; 194.36,20.86 195.76,22.26 202.23,22.26 v1(202.86,21.62)
  Bottom w0.2: v1(200.95,123.22) v1(200.95,97.82) 200.95,29.88 ; R102.2 202.86,27.34 v1(202.86,21.62)
-CAS1: length 234.6
  Top w0.2: CVDO1.15 145.71,48.29 146.98,47.02 v1(150.16,47.02) 151.43,48.29 CNDO1.15 155.87,48.29 157.14,47.02 159.68,47.02 160.95,48.29 166.03,48.29 167.3,47.02 169.84,47.02 171.11,48.29 BVDO1.15 176.19,48.29 177.46,47.02 180,47.02 181.27,48.29 BNDO1.15 186.35,48.29 187.62,47.02 190.16,47.02 191.43,48.29 196.51,48.29 197.78,47.02 200.95,47.02 202.23,48.29 AVDO1.15 206.67,48.29 207.94,47.02 211.12,47.02 212.38,48.29 216.83,48.29 218.1,47.02 221.27,47.02 222.55,48.29 226.36,48.29 ; 226.36,73.69 225.09,72.42 218.1,72.42 216.83,73.69 214.29,73.69 213.02,72.42 207.94,72.42 206.67,73.69 202.86,73.69 201.59,72.42 197.78,72.42 196.51,73.69 193.97,73.69 192.7,72.42 187.62,72.42 186.35,73.69 183.18,73.69 181.91,72.42 177.46,72.42 176.19,73.69 173.65,73.69 172.38,72.42 167.3,72.42 166.03,73.69 163.49,73.69 162.22,72.42 157.14,72.42 155.87,73.69 152.69,73.69 151.43,72.42 146.98,72.42 145.71,73.69 145.07,73.69
  Bottom w0.2: v1(150.16,72.42) 151.43,71.15 151.43,56.55 150.79,55.91 150.79,47.66 v1(150.16,47.02) 150.79,46.39 150.79,31.15 R113.2 150.79,27.34 150.79,22.89 151.43,22.26 X3B1.10
-COL: length 311.5
  Top w0.2: U3.14 150.16,145.45 145.07,145.45 v1(143.81,144.18) 142.54,145.45 129.2,145.45 126.66,142.91 86.66,142.91 84.75,141 75.86,141 71.42,136.56 v1(68.88,136.56) ; v1(70.14,126.4) FEAW1.3
  Bottom w0.2: U1.14 211.12,145.45 211.12,153.07 U2.14 208.57,155.61 173.01,155.61 170.48,153.07 152.69,153.07 U4.14 150.16,153.07 150.16,146.08 151.43,144.81 U3.14 ; v1(143.81,144.18) 141.26,141.64 141.26,63.53 140,62.26 140,57.82 142.54,55.28 142.54,54.01 141.9,53.37 141.9,26.7 143.81,24.8 X3B1.7 ; v1(70.14,126.4) 70.14,127.67 68.88,128.94 v1(68.88,136.56)
-DAT0: length 37.8
  Top w0.2: EKAS1.19 94.91,134.02 93.64,135.29 89.2,135.29 ESAS1.19
  Bottom w0.2: 76.62,154.34 75.35,153.07 75.23,153.07 75.23,146.08 87.29,134.02 ESAS1.19
-DAT1: length 40.6
  Top w0.2: ESAS1.18 89.2,132.75 93.64,132.75 94.91,131.48 EKAS1.18 ; v1(76.5,146.72) 77.77,147.99 77.77,150.65 76.62,151.8
  Bottom w0.2: v1(76.5,146.72) 76.5,146.08 84.75,137.83 88.56,137.83 89.2,137.19 89.2,132.75 ESAS1.18
-DAT2: length 44.6
  Top w0.2: ESAS1.17 89.2,130.21 93.64,130.21 94.91,128.94 EKAS1.17
  Bottom w0.2: ESAS1.17 89.2,130.21 91.73,130.21 92.37,130.84 92.37,136.56 91.56,137.36 91.56,137.51 90.61,138.46 85.39,138.46 77.77,146.08 77.77,147.35 76.5,148.62 76.62,148.75 76.62,149.26
-DAT3: length 53
  Top w0.2: EKAS1.16 94.91,126.4 93.64,127.67 89.2,127.67 ESAS1.16
  Bottom w0.2: ESAS1.16 89.2,127.67 92.37,127.67 93,128.3 93,137.19 91.1,139.1 86.02,139.1 78.4,146.72 78.4,147.99 77.77,148.62 77.77,152.94 79.16,154.34
-DAT4: length 50.8
  Top w0.2: EKAS1.15 94.91,123.86 93.64,125.13 89.2,125.13 ESAS1.15 ; v1(73.95,146.72) 75.23,147.99 75.23,152.43 75.86,153.07 77.89,153.07 79.16,151.8
  Bottom w0.2: ESAS1.15 86.66,125.13 86.66,133.38 73.95,146.08 v1(73.95,146.72)
-DAT5: length 52.8
  Top w0.2: ESAS1.14 89.2,122.59 93.64,122.59 94.91,121.32 EKAS1.14
  Bottom w0.2: ESAS1.14 89.2,122.59 93,122.59 93.64,123.22 93.64,137.83 91.73,139.73 86.66,139.73 79.03,147.35 79.16,147.48 79.16,149.26
-DAT6: length 61.3
  Top w0.2: EKAS1.13 94.91,118.78 93.64,120.05 89.2,120.05 ESAS1.13
  Bottom w0.2: 81.7,154.34 80.31,152.94 80.31,147.35 87.29,140.37 92.37,140.37 94.28,138.46 94.28,120.68 93.81,120.22 89.36,120.22 ESAS1.13
-DAT7: length 58.3
  Top w0.2: ESAS1.12 89.2,117.51 93.64,117.51 94.91,116.24 EKAS1.12
  Bottom w0.2: 81.7,149.26 81.7,148.11 81.58,147.99 86.66,142.91 91.1,142.91 94.91,139.1 94.91,118.14 94.28,117.51 89.2,117.51 ESAS1.12
-DAT8: length 38.5
  Bottom w0.2: ECAS1.19 108.24,134.65 99.36,143.54 87.29,143.54 82.84,147.99 82.84,152.94 84.24,154.34
-DAT9: length 60.5
  Top w0.2: 84.24,151.8 85.51,150.53 90.47,150.53 91.73,151.8 107.61,151.8 108.88,153.07 v1(110.79,153.07) ; v1(117.14,132.75) 109.52,132.75 ECAS1.18
  Bottom w0.2: v1(110.79,153.07) 110.79,149.26 117.14,142.91 v1(117.14,132.75)
-DATA: length 39.9
  Bottom w0.2: ECAS1.17 109.52,130.21 109.52,137.19 108.88,137.83 106.34,137.83 99.99,144.18 87.92,144.18 84.24,147.86 84.24,149.26
-DATB: length 48.1
  Bottom w0.2: ECAS1.16 110.15,128.3 110.15,137.83 109.52,138.46 106.98,138.46 100.63,144.81 88.56,144.81 85.39,147.99 85.39,152.94 86.78,154.34
-DATC: length 53.1
  Top w0.2: ECAS1.15 v1(110.79,121.32)
  Bottom w0.2: 86.78,151.8 87.92,150.65 87.92,147.99 89.83,146.08 101.89,146.08 108.24,139.73 110.79,139.73 111.42,139.1 111.42,121.95 v1(110.79,121.32)
-DATD: length 47.5
  Bottom w0.2: ECAS1.14 110.79,123.86 110.79,138.46 110.15,139.1 107.61,139.1 101.26,145.45 89.2,145.45 86.78,147.86 86.78,149.26
-DATE: length 59.5
  Top w0.2: ECAS1.13 v1(113.33,118.78)
  Bottom w0.2: 89.32,154.34 90.47,153.19 90.47,149.89 91.1,149.26 101.26,149.26 106.98,143.54 112.05,143.54 112.69,142.91 112.69,119.41 v1(113.33,118.78)
-DATF: length 54.1
  Bottom w0.2: ECAS1.12 112.05,120.05 112.05,142.27 111.42,142.91 106.34,142.91 102.53,146.72 90.47,146.72 89.32,147.86 89.32,149.26
-INH1: length 49
  Top w0.2: v1(26.97,127.67) 21.25,127.67 20.62,127.03 20.62,122.59 GQAW1.5
  Bottom w0.2: 46.14,151.8 44.75,150.4 44.75,147.99 44.11,147.35 37.12,147.35 28.23,138.46 28.23,128.94 v1(26.97,127.67)
-INIT: length 35.4
  Top w0.2: v1(15.54,143.54) 27.73,143.54 33.44,149.26
  Bottom w0.2: HCAW1.13 15.54,130.21 v1(15.54,143.54)
-INT0: length 48.2
  Bottom w0.2: 25.82,154.34 24.43,152.94 24.43,147.35 18.71,141.64 18.71,114.97 18.08,114.33 18.08,111.16 X13.9.1
-INT1: length 44.3
  Top w0.2: 25.82,151.8 24.55,150.53 22.52,150.53 21.89,149.89 v1(21.89,146.72)
  Bottom w0.2: X13.8.1 16.8,114.33 18.08,115.6 18.08,142.27 21.89,146.08 v1(21.89,146.72)
-INT2: length 45.6
  Bottom w0.2: X13.7.1 18.71,109.25 18.71,113.7 19.34,114.33 19.34,141 25.82,147.48 25.82,149.26
-INT3: length 48.8
  Bottom w0.2: 28.36,154.34 27.09,153.07 26.97,153.07 26.97,147.35 19.98,140.37 19.98,113.7 19.34,113.06 19.34,111.16 X13.6.1
-INT4: length 42.6
  Top w0.2: 28.36,151.8 26.97,150.4 v1(26.97,145.45)
  Bottom w0.2: v1(26.97,145.45) 20.62,139.1 X13.5.1
-INT5: length 45.6
  Bottom w0.2: X13.4.1 24.43,108.62 24.43,110.52 23.79,111.16 23.79,113.7 24.43,114.33 24.43,124.49 23.79,125.13 23.79,130.84 23.16,131.48 23.16,139.73 28.36,144.94 28.36,149.26
-INT6: length 48.8
  Bottom w0.2: X13.3.1 25.7,110.52 24.43,111.79 24.43,113.06 25.06,113.7 25.06,125.13 24.43,125.76 24.43,131.48 23.79,132.11 23.79,139.1 29.51,144.81 29.51,153.07 29.63,153.07 30.9,154.34
-INT7: length 40
  Bottom w0.2: 30.9,149.26 30.9,144.94 24.43,138.46 24.43,132.75 25.06,132.11 25.06,126.4 25.7,125.76 X13.2.1
-IORC: length 23.4
  Bottom w0.2: 10.58,149.26 10.58,127.79 HCAW1.3
-IOWC: length 28.4
  Top w0.2: v1(14.27,123.86) HCAW1.11
  Bottom w0.2: v1(14.27,123.86) 14.27,148.11 13.12,149.26
-MCLK-EN: length 130.7
  Top w0.2: v1(93,35.59) EKDS1.5
  Bottom w0.2: 166.42,15.78 162.1,11.46 106.34,11.46 103.8,14 99.36,14 96.82,11.46 93,11.46 ; 93,11.46 v1(93,35.59) ; 93,11.46 88.56,11.46 82.21,5.11 R6.8
-MRDC: length 23.4
  Bottom w0.2: HCAW1.1 9.19,152.94 10.58,154.34
-MWTC: length 34.7
  Bottom w0.2: HCAW1.5 11.73,123.86 11.73,152.94 13.12,154.34
-RAS0: length 255.8
  Top w0.2: CVBW1.4 141.26,94.01 142.54,95.28 145.71,95.28 146.98,94.01 CNBW1.4 152.06,94.01 153.33,95.28 155.87,95.28 157.14,94.01 CFBW1.4 162.22,94.01 163.49,95.28 166.03,95.28 167.3,94.01 BVBW1.4 171.75,94.01 173.01,95.28 176.19,95.28 177.46,94.01 BNBW1.4 181.91,94.01 183.18,95.28 186.35,95.28 187.62,94.01 BFBW1.4 191.43,94.01 192.7,95.28 196.51,95.28 197.78,94.01 AVBW1.4 201.59,94.01 202.86,95.28 206.67,95.28 207.94,94.01 ANBW1.4 211.12,94.01 212.38,95.28 216.83,95.28 218.1,94.01 AFBW1.4 ; 218.74,43.21 218.1,43.21 216.83,44.48 212.38,44.48 211.12,43.21 207.94,43.21 206.67,44.48 202.23,44.48 200.95,43.21 AVDO1.4 197.78,43.21 196.51,44.48 191.43,44.48 190.16,43.21 187.62,43.21 186.35,44.48 180.63,44.48 179.37,43.21 BNDO1.4 177.46,43.21 176.19,44.48 171.11,44.48 169.84,43.21 BVDO1.4 167.3,43.21 166.03,44.48 160.95,44.48 159.68,43.21 157.14,43.21 155.87,44.48 152.06,44.48 150.79,43.21 CNDO1.4 146.98,43.21 145.71,44.48 142.54,44.48 141.26,43.21 CVDO1.4
  Bottom w0.2: BVDO1.4 166.67,44.48 166.67,92.74 BVBW1.4 ; 167.65,42.93 166.67,41.94 166.67,31.78 167.94,30.51 R112.2 166.03,27.34 166.03,22.26 166.67,21.62 X3B1.16
